# Altium PCB ASP-0.PcbDoc (part 3 of 4)
Units mm, origin at the board's own origin, x right, y up, seen from the top; angles counter-clockwise.
Board outline 200 x 170 mm, 2 copper layers (Top Layer, Bottom Layer); 290 components, 293 nets, 1338 pads, 464 vias.
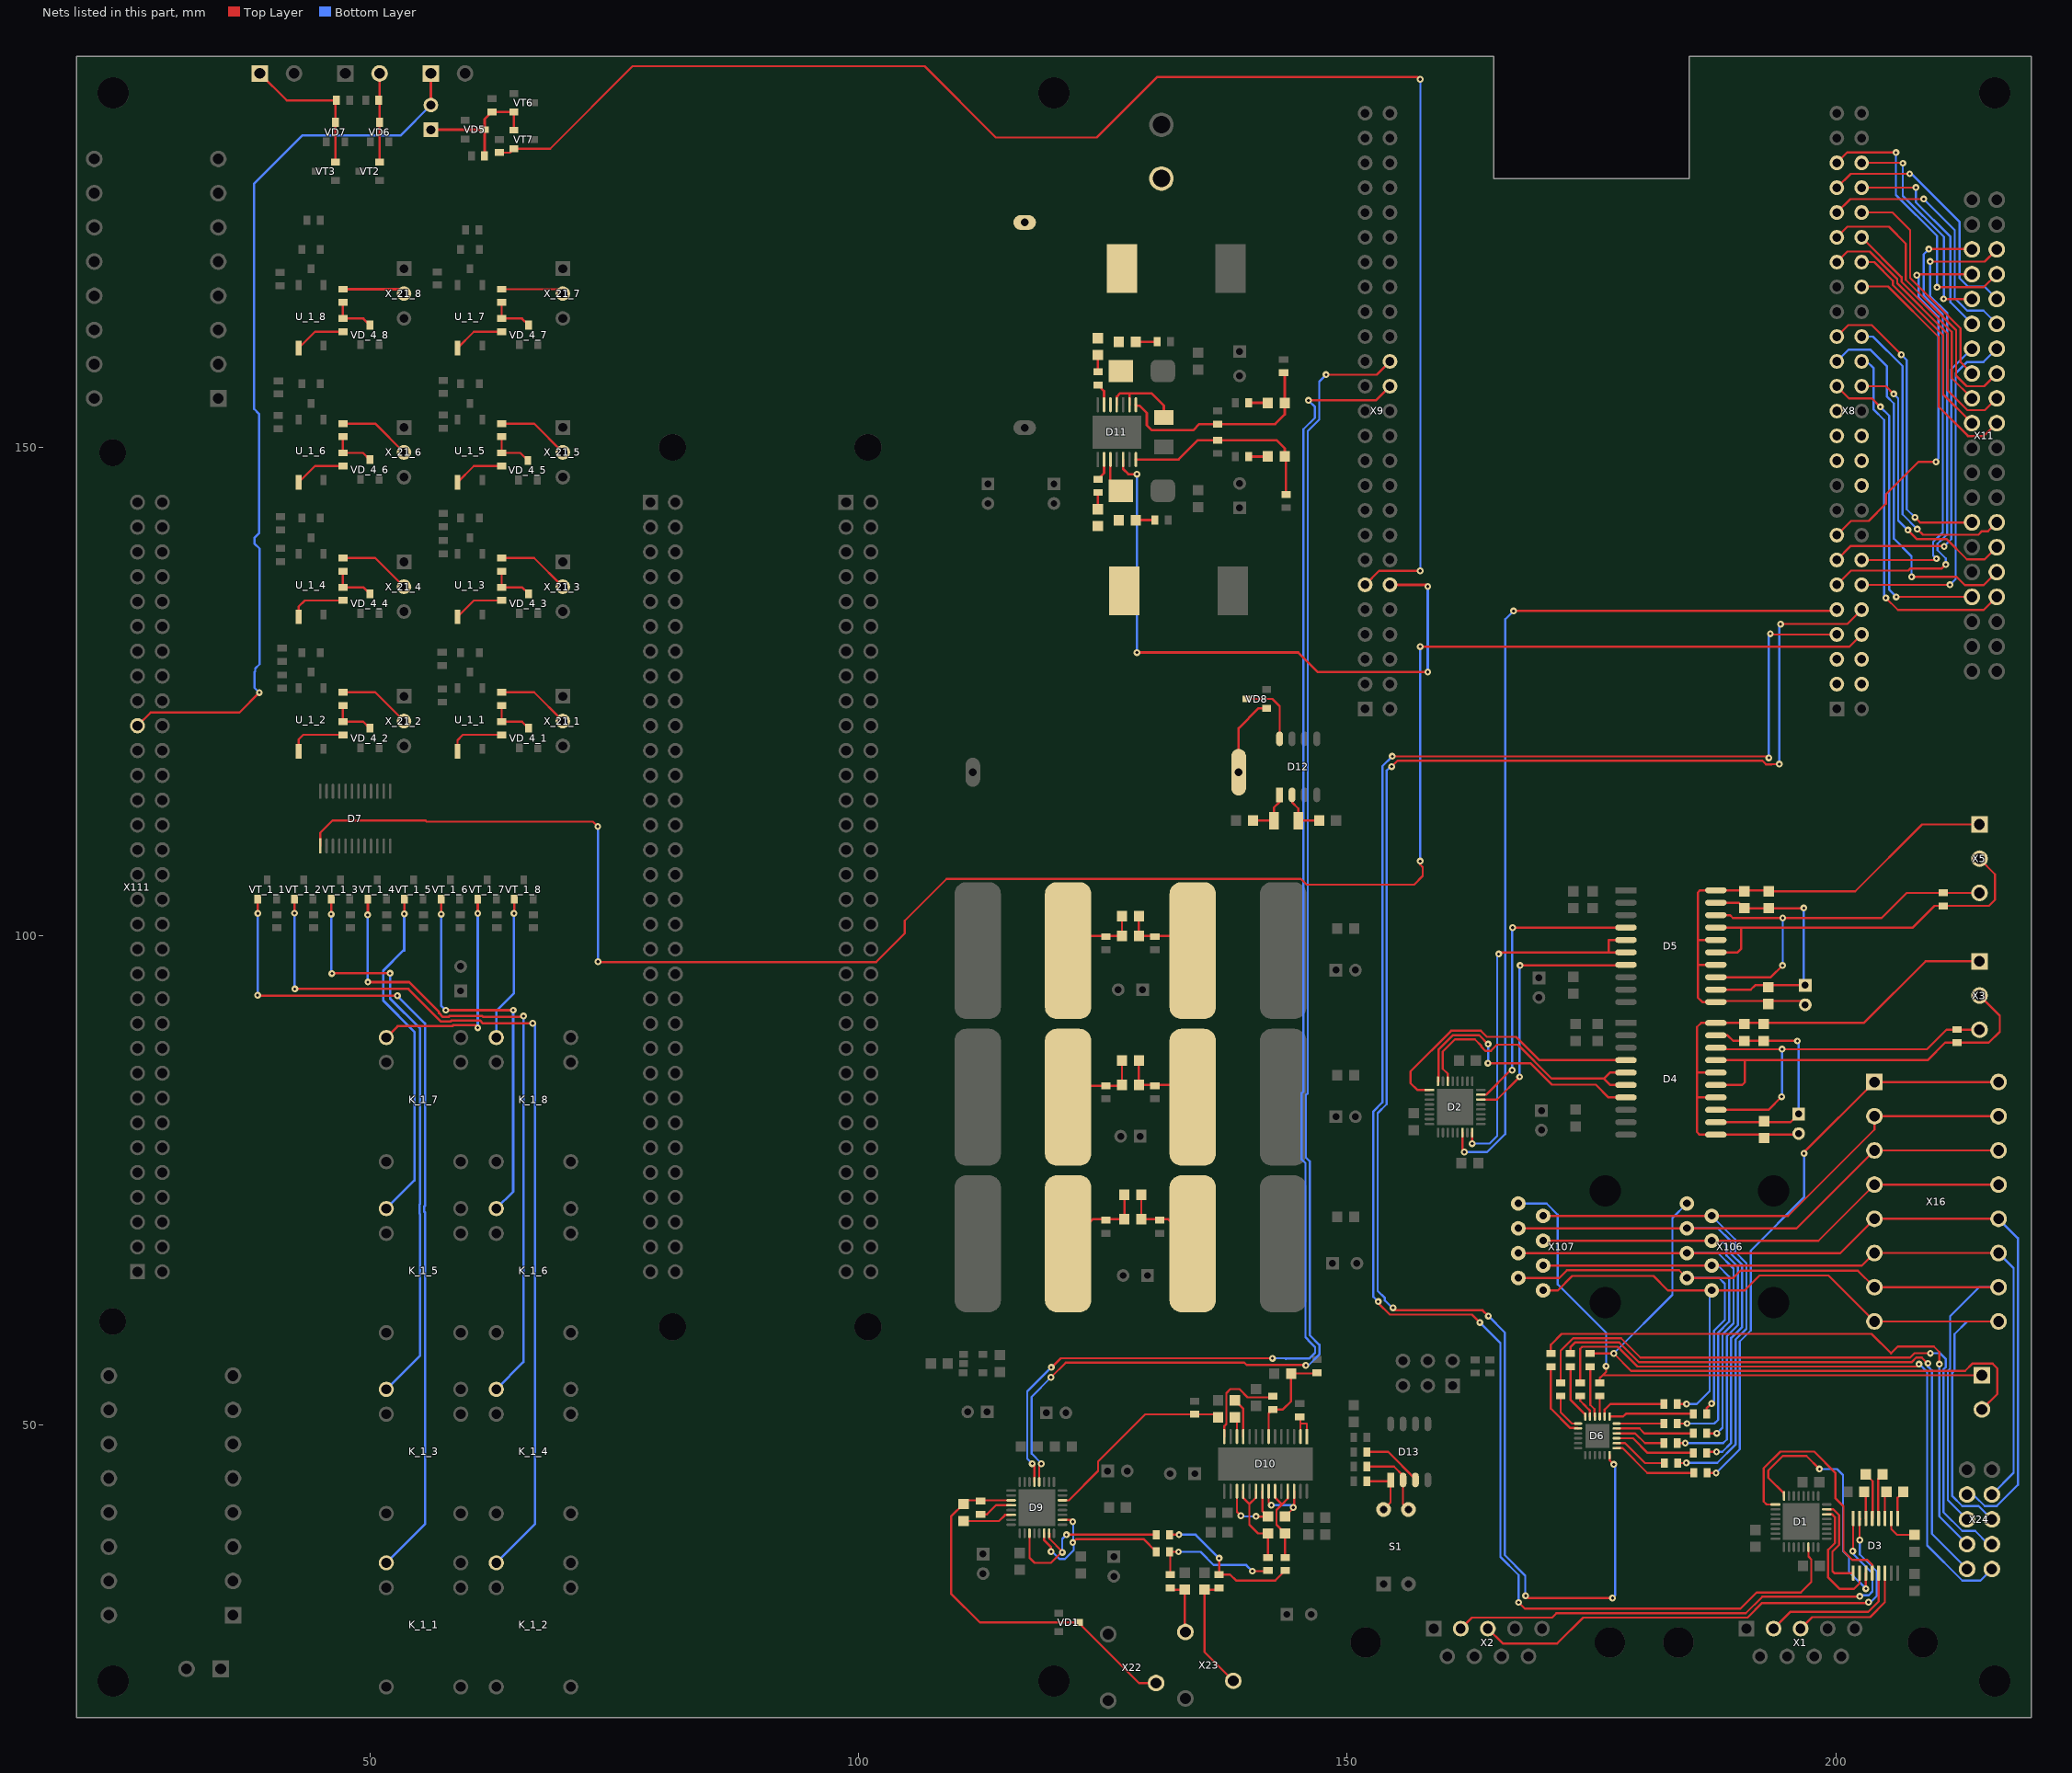
[diagram p3: the nets of this part, all layers, seen from the top]

## Via types
v1: diameter 0.7, hole 0.3, Top Layer to Bottom Layer, 444 vias
v2: diameter 0.7, hole 0.3, Top Layer to Bottom Layer, tented both sides, 20 vias

## Nets (pads, with @x,y where several pads share a name; then routed paths per layer and width w, separated by ;. In a path a pad name is that pad's centre, name@x,y a point inside that pad or via, vN(x,y) a via of type N, cw(c..) or ccw(c..) an arc to the next point about the centre after c; other vN are vias at no path point) (continued)
LCD_B6: X8.31 X11.27 | length 31.6
  Top Layer w0.22: X8.31@200.104,161.325 201.279,162.5 203.675,162.5 v1(206.7,159.475) ; v1(208.1,142.825) 208.615,142.31 X11.27@213.93,142.31
  Bottom Layer w0.22: v1(206.7,159.475) 207.26,158.915 207.26,143.665 v1(208.1,142.825)
LCD_B7: X8.32 X11.28 | length 31.6
  Top Layer w0.22: v1(208.338,141.625) 208.913,141.05 214.588,141.05 214.953,141.415 215.575,141.415 X11.28@216.47,142.31
  Bottom Layer w0.22: X8.32@202.644,161.325 203.8,161.325 206.82,158.305 206.82,143.143 v1(208.338,141.625)
LCD_DE_E: X8.30 X11.34 | length 38
  Top Layer w0.22: v1(205.125,134.575) 206.35,133.35 215.13,133.35 X11.34@216.47,134.69
  Bottom Layer w0.22: X8.30@202.644,158.785 203.165,158.785 203.88,158.07 203.88,153.851 204.95,152.781 204.95,134.75 v1(205.125,134.575)
LCD_G0_A0: X8.13 X11.13 | length 33
  Top Layer w0.22: X8.13@200.104,138.465 201.549,139.91 206.2,139.91 206.205,139.905 211.037,139.905 v1(211.085,139.857)
  Bottom Layer w0.22: v1(211.085,139.857) 211.085,139.86 211.821,140.596 211.821,157.981 X11.13@213.93,160.09
LCD_G1_R/W: X8.12 X11.14 | length 36.2
  Top Layer w0.22: X8.12@202.644,135.925 v1(211.675,135.925)
  Bottom Layer w0.22: v1(211.675,135.925) 212.261,136.511 212.261,157.55 213.441,158.73 215.11,158.73 X11.14@216.47,160.09
LCD_G2: X8.42 X11.15 | length 23
  Top Layer w0.22: X8.42@202.644,174.025 205.8,174.025 207.605,172.22 207.605,167.32 212.75,162.175 212.75,158.73 X11.15@213.93,157.55
LCD_G3: X8.39 X11.16 | length 29
  Top Layer w0.22: X8.39@200.104,171.485 201.184,172.565 205.435,172.565 207.165,170.835 207.165,167.138 212.31,161.993 212.31,157.34 213.4,156.25 215.17,156.25 X11.16@216.47,157.55
LCD_G4: X8.40 X11.17 | length 21.1
  Top Layer w0.22: X8.40@202.644,171.485 206.725,167.404 206.725,166.955 211.87,161.81 211.87,157.07 X11.17@213.93,155.01
LCD_G5: X8.37 X11.18 | length 27.7
  Top Layer w0.22: X8.37@200.104,168.945 201.184,170.025 203.475,170.025 206.285,167.215 206.285,166.773 211.43,161.628 211.43,155.841 213.471,153.8 215.26,153.8 X11.18@216.47,155.01
LCD_G6: X8.38 X11.19 | length 21.9
  Top Layer w0.22: X8.38@202.644,168.945 203.933,168.945 205.845,167.033 205.845,166.591 210.99,161.446 210.99,155.41 X11.19@213.93,152.47
LCD_G7: X8.36 X11.20 | length 24.9
  Top Layer w0.22: X8.36@202.644,166.405 202.697,166.458 205.356,166.458 210.55,161.264 210.55,154.125 213.525,151.15 215.15,151.15 X11.20@216.47,152.47
LCD_HSYNC: X8.29 X11.32 | length 38.5
  Top Layer w0.22: v1(207.75,136.75) 212.35,136.75 213.2,135.9 215.14,135.9 X11.32@216.47,137.23
  Bottom Layer w0.22: X8.29@200.104,158.785 201.319,160 203.5,160 205.245,158.255 205.245,155.168 205.94,154.473 205.94,140.66 207.75,138.85 v1(207.75,136.75)
LCD_PCLK_RST: X8.28 X11.30 | length 29
  Top Layer w0.22: X8.28@202.644,156.245 205.13,156.245 v1(205.925,155.45) ; v1(207.375,141.525) 208.31,140.59 211.36,140.59 213.425,138.525 215.225,138.525 X11.30@216.47,139.77
  Bottom Layer w0.22: v1(205.925,155.45) 206.38,154.995 206.38,142.52 v1(207.375,141.525)
LCD_R0_DB0: X8.14 X11.5 | length 45.4
  Top Layer w0.22: X8.14@202.644,138.465 210.163,138.465 v1(210.3,138.602) ; v1(209.525,170.275) 213.905,170.275 X11.5@213.93,170.25
  Bottom Layer w0.22: v1(209.525,170.275) 208.98,169.73 208.98,165.548 210.941,163.587 210.941,141.25 210.895,141.25 209.965,140.321 209.965,138.937 v1(210.3,138.602)
LCD_R1_DB1: X8.11 X11.6 | length 51.8
  Top Layer w0.22: X8.11@200.104,135.925 201.564,137.385 207.423,137.385 207.643,137.605 210.855,137.605 v1(211.25,138) ; v1(209.66,169.008) 209.668,169 215.22,169 X11.6@216.47,170.25
  Bottom Layer w0.22: v1(209.66,169.008) 209.66,165.49 211.381,163.769 211.381,141.068 210.85,140.537 210.804,140.537 210.405,140.138 210.405,139.47 211.25,138.625 v1(211.25,138)
LCD_R2_DB2: X8.15 X11.7 | length 39.6
  Top Layer w0.22: X8.15@200.104,141.005 201.564,142.465 203.365,142.465 205.125,144.225 205.125,145.159 208.466,148.5 v1(210.25,148.5) ; v1(208.285,167.608) 208.375,167.698 208.375,167.71 X11.7@213.93,167.71
  Bottom Layer w0.22: v1(208.285,167.608) 208.475,167.418 208.475,165.401 210.501,163.375 210.501,148.851 210.25,148.6 v1(210.25,148.5)
LCD_R3_DB3: X8.45 X11.8 | length 28.7
  Top Layer w0.22: X8.45@200.104,179.105 201.184,180.185 206.115,180.185 v1(206.15,180.15) ; v1(210.35,166.375) 215.135,166.375 X11.8@216.47,167.71
  Bottom Layer w0.22: v1(206.15,180.15) 206.15,175.823 210.35,171.623 v1(210.35,166.375)
LCD_R4_DB4: X8.46 X11.9 | length 22.8
  Top Layer w0.22: X8.46@202.644,179.105 206.82,179.105 v1(206.86,179.065) ; v1@211.035,165.17 X11.9@213.93,165.17
  Bottom Layer w0.22: v1(206.86,179.065) 206.86,175.735 211.075,171.52 211.075,165.223 v1(211.035,165.183)
LCD_R5_DB5: X8.43 X11.10 | length 25.6
  Top Layer w0.22: X8.43@200.104,176.565 201.523,177.984 v1(207.56,177.984)
  Bottom Layer w0.22: v1(207.56,177.984) 207.747,177.984 212.65,173.08 212.65,167.321 213.546,166.425 215.215,166.425 X11.10@216.47,165.17
LCD_R6_DB6: X8.44 X11.11 | length 21.9
  Top Layer w0.22: X8.44@202.644,176.565 208.167,176.565 v1(208.185,176.584)
  Bottom Layer w0.22: v1(208.185,176.584) 208.185,175.075 211.735,171.525 211.735,164.825 X11.11@213.93,162.63
LCD_R7_DB7: X8.41 X11.12 | length 26.3
  Top Layer w0.22: X8.41@200.104,174.025 201.479,175.4 v1(209,175.4)
  Bottom Layer w0.22: v1(209,175.4) 212.175,172.225 212.175,165.256 213.441,163.99 215.11,163.99 X11.12@216.47,162.63
LCD_VSYNC: X8.27 X11.33 | length 33.4
  Top Layer w0.22: X8.27@200.104,156.245 201.349,155 203.693,155 v1(204.56,154.133) v1@204.56,154.315 ; v1(206.185,134.69) X11.33@213.93,134.69
  Bottom Layer w0.22: v1(204.56,154.133) 205.475,153.218 205.475,135.4 v1(206.185,134.69)
MMC1_CLK: X8.21
MMC1_CMD: X8.20
MMC1_DAT0: X8.25
MMC1_DAT1: X8.24
MMC1_DAT2: X8.5
MMC1_DAT3: X8.6
MMC1_DAT4: X8.23
MMC1_DAT5: X8.22
MMC1_DAT6: X8.3
MMC1_DAT7: X8.4
NetC1_1: C1.1 D3.1 | length 2.9
  Top Layer w0.22: D3.1@206.325,40.4 206.325,42.51 C1.1@206.915,43.1
NetC1_2: C1.2 D3.3 | length 2.8
  Top Layer w0.22: D3.3@205.025,40.4 205.025,42.94 C1.2@205.185,43.1
NetC2_1: C2.1 D3.2 | length 3.7
  Top Layer w0.22: D3.2@205.675,40.4 205.675,39.3 206.26,38.715 C2.1@208.05,38.715
NetC12_1: C12.1 D3.4 | length 4.7
  Top Layer w0.22: D3.4@204.375,40.4 204.33,40.445 204.33,44.44 C12.1@204.79,44.9
NetC12_2: C12.2 D3.5 | length 4.8
  Top Layer w0.22: C12.2@203.06,44.9 203.77,44.19 203.77,40.445 D3.5@203.725,40.4
NetC13_2: C13.2 D3.6 | length 2.8
  Top Layer w0.22: C13.2@202.915,43.1 203.075,42.94 D3.6@203.075,40.4
NetC14_1: C14.1 C15.2 C16.2 C17.2 D4.12 D4.19 | length 25
  Top Layer w0.22: D4.12@187.725,80.932 195.357,80.932 C14.1@196.2,81.775 ; D4.19@187.725,89.822 188.928,89.822 189.488,89.262 C17.2@192.625,89.262 196.063,89.262 v1(196.075,89.25)
  Bottom Layer w0.22: v1(196.075,89.25) 196.2,89.125 C14.1@196.2,81.775 C14.1@196.15,81.825
NetC14_2: C14.2 C15.1 C16.1 C17.1 D4.11 D4.14 D4.16 D4.20 X3.1 | length 56.8
  Top Layer w0.22: D4.14@187.725,83.472 185.803,83.472 185.8,83.475 ; D4.16@187.725,86.012 185.812,86.012 185.8,86 ; C14.2@196.2,79.775 196.087,79.662 D4.11@187.725,79.662 186.063,79.662 185.8,79.925 185.8,83.475 ; X3.1@214.7,97.4 209.175,97.4 202.867,91.092 D4.20@187.725,91.092 186.217,91.092 185.8,90.675 185.8,86 ; 185.8,83.475 185.8,86
NetC18_1: C18.1 C19.2 C20.2 C21.2 D5.12 D5.19 | length 26.3
  Top Layer w0.22: D5.12@187.725,94.507 191.307,94.507 191.752,94.952 C18.1@196.875,94.952 ; D5.19@187.725,103.397 190.065,103.397 C19.2@190.625,102.837 C20.2@193.125,102.836 196.711,102.836 v1(196.725,102.85)
  Bottom Layer w0.22: C18.1@196.725,95.102 v1(196.725,102.85)
NetC18_2: C18.2 C19.1 C20.1 C21.1 D5.11 D5.14 D5.16 D5.20 X5.1 | length 57.6
  Top Layer w0.22: 185.9,99.587 D5.16@187.725,99.587 ; D5.14@187.725,97.047 185.928,97.047 185.9,97.075 ; C18.2@196.875,92.952 196.49,93.337 193.125,93.337 187.825,93.337 D5.11@187.725,93.237 186.338,93.237 185.9,93.675 185.9,97.075 ; X5.1@214.7,111.4 208.825,111.4 201.991,104.566 C20.1@193.125,104.566 193.024,104.667 D5.20@187.725,104.667 186.117,104.667 185.9,104.45 185.9,99.4 185.9,97.075
NetC38_2: C38.2 D10.7 R5.2 R7.2 | length 10.7
  Top Layer w0.22: D10.7@141.975,48.775 141.975,51.125 R7.2@142.4,51.55 143.425,51.55 144.265,52.39 C38.2@144.265,55.225 146.825,55.225 R5.2@146.9,55.3
NetC42_1: C42.1 D9.11 R6.2 VD1.3 X22.2 | length 39.5
  Top Layer w0.22: D9.11@115.625,42.25 111.135,42.25 C42.1@110.75,41.865 109.475,40.59 109.475,32.7 112.425,29.75 VD1.3@122.5,29.75 128.7,23.55 X22.2@130.45,23.55
NetC42_2: C42.2 D9.14 | length 5.1
  Top Layer w0.22: C42.2@110.75,40.135 114.385,40.135 115,40.75 D9.14@115.625,40.75
NetC43_1: C43.1 D10.12 | length 2
  Top Layer w0.22: C43.1@138.515,50.725 138.725,50.515 D10.12@138.725,48.775
NetC43_2: C43.2 D9.30 R44.2 | length 20.3
  Top Layer w0.22: D9.30@120.875,42.25 121.525,42.25 124.52,45.245 124.52,46.23 129.34,51.05 R44.2@134.4,51.05 136.46,51.05 C43.2@136.785,50.725
NetC44_1: C44.1 L3.2 X23.1 | length 5.9
  Top Layer w0.22: L3.2@131.9,33.3 132.09,33.11 C44.1@133.4,33.11 133.4,28.825 X23.1@133.45,28.775
NetC45_1: C45.1 L4.2 X23.2 | length 12.1
  Top Layer w0.22: L4.2@136.9,33.3 136.71,33.11 C45.1@135.4,33.11 135.4,26.725 X23.2@138.35,23.775
NetC46_1: C46.1 D10.11 | length 4.1
  Top Layer w0.22: C46.1@138.515,52.475 139.375,51.615 D10.11@139.375,48.775
NetC47_1: C47.1 D10.18 D10.20 R46.1 | length 10
  Top Layer w0.22: D10.18@139.375,43.175 139.375,42.482 140,41.857 ; D10.20@140.675,43.175 140.675,42.532 140,41.857 ; R46.1@141.9,36.4 C47.1@141.9,38.86 140.89,38.86 140,39.75 140,41.857
NetC47_2: C47.2 D10.17 D10.21 | length 8.3
  Top Layer w0.22: D10.17@138.725,43.175 138.725,41.075 v1(139.125,40.675) ; v1(140.682,40.602) 140.694,40.59 C47.2@141.9,40.59 141.325,41.165 D10.21@141.325,43.175
  Bottom Layer w0.22: v1(139.125,40.675) 139.198,40.602 v1(140.682,40.602)
NetC48_1: C48.1 D10.23 D10.25 R47.1 | length 9.3
  Top Layer w0.22: D10.23@142.625,43.175 142.625,42.525 143.325,41.825 ; R47.1@143.65,36.4 C48.1@143.65,38.86 142.77,39.74 142.77,41.27 143.325,41.825 ; D10.25@143.925,43.175 143.925,42.425 143.325,41.825
NetC48_2: C48.2 D10.22 D10.26 | length 6.9
  Top Layer w0.22: D10.22@141.975,43.175 141.975,42.025 v1(142.25,41.75) ; C48.2@143.65,40.59 v1@144.575,41.515 ; v1(144.485,41.515) v1@144.575,41.515 ; D10.26@144.575,43.175 v1@144.575,41.515
  Bottom Layer w0.22: v1(142.25,41.75) 144.25,41.75 v1(144.485,41.515)
NetC51_1: C51.1 R12.2 | length 2
  Top Layer w0.25: C51.1@128.365,142.55 R12.2@130.325,142.55
NetC51_2: C51.2 C52.1 D11.3 L5.2 VD2.2 | length 3.7
  Top Layer w0.25: D11.3@125.781,148.75 125.75,148.719 125.75,146.65 VD2.2@126.85,145.55
NetC52_2: C52.2 R15.1 | length 1.7
  Top Layer w0.25: C52.2@124.5,143.665 R15.1@124.5,145.375
NetC53_1: C53.1 R14.2 | length 2
  Top Layer w0.25: R14.2@139.925,149.05 C53.1@141.885,149.05
NetC53_2: C53.2 D11.7 R13.1 R16.2 | length 21.2
  Top Layer w0.25: D11.7@128.381,148.75 132.75,148.75 134.725,150.725 R16.2@136.75,150.725 142.775,150.725 143.615,149.885 C53.2@143.615,149.05 143.75,148.915 R13.1@143.75,145.175
NetC56_1: C56.1 R19.2 | length 2
  Top Layer w0.25: R19.2@139.925,154.55 C56.1@141.885,154.55
NetC56_2: C56.2 D11.8 R17.2 R20.2 | length 22
  Top Layer w0.25: D11.8@128.381,154.35 128.481,154.25 128.75,154.25 129.5,153.5 129.5,152.25 130,151.75 134.25,151.75 134.875,152.375 R17.2@136.75,152.375 142.625,152.375 143.615,153.365 C56.2@143.615,154.55 143.615,157.51 R20.2@143.5,157.625
NetC57_1: C57.1 R18.2 | length 1.7
  Top Layer w0.25: R18.2@124.5,157.725 C57.1@124.5,159.435
NetC57_2: C57.2 C58.2 D11.12 L6.1 VD3.2
NetC58_1: C58.1 R21.2 | length 2.2
  Top Layer w0.25: C58.1@128.365,160.8 R21.2@130.575,160.8
NetC61_1: C61.1 D11.9 D11.11 | length 8.7
  Top Layer w0.25: D11.11@126.431,154.35 126.431,155.181 126.75,155.5 127.75,155.5 ; D11.9@127.731,154.35 127.731,155.481 127.75,155.5 ; C61.1@131.25,153.05 131.25,154.25 130,155.5 127.75,155.5
NetC65_1: C65.1 C66.1 L2.2 L8.1 | length 8.5
  Top Layer w0.22: L2.2@121.45,83.5 122.625,84.675 L8.1@125.325,84.675 126.885,84.675 C66.1@126.96,84.75 C65.1@126.96,87.25
NetC65_2: C65.2 C66.2 L1.2 L7.1 | length 8.5
  Top Layer w0.22: C65.2@128.69,87.25 C66.2@128.69,84.75 132.95,84.75 L1.2@134.2,83.5
NetC70_1: C70.1 C71.1 L10.2 L12.1 | length 9.3
  Top Layer w0.22: L10.2@121.45,68.5 123.95,71 C70.1@127.21,71 C71.1@127.21,73.5
NetC70_2: C70.2 C71.2 L9.2 L11.1 | length 8.8
  Top Layer w0.22: C71.2@128.94,73.5 C70.2@128.94,71 131.7,71 L9.2@134.2,68.5
NetC80_1: C80.1 D12.1 Z1.1 | length 5
  Top Layer w0.22: C80.1@140.365,111.8 Z1.1@142.5,111.8 142.5,113.125 143.095,113.72 D12.1@143.095,114.43
NetC81_1: C81.1 D12.2 Z1.2 | length 5
  Top Layer w0.22: D12.2@144.365,114.43 144.365,113.66 145,113.025 Z1.2@145,111.8 C81.1@147.135,111.8
NetC84_1: C84.1 C85.1 L14.2 L16.1 | length 8.1
  Top Layer w0.22: L14.2@121.45,98.5 122.95,100 C85.1@126.96,100 C84.1@126.96,102
NetC84_2: C84.2 C85.2 L13.2 L15.1 | length 8.1
  Top Layer w0.22: C84.2@128.69,102 C85.2@128.69,100 132.7,100 L13.2@134.2,98.5
NetD1_1: D1.1 D3.12 | length 26.4
  Top Layer w0.22: D1.1@193.825,41.825 192.925,41.825 192.625,42.125 192.625,45.525 194.325,47.225 197.8,47.225 199.95,45.075 199.95,42.475 200.785,41.64 200.785,37.04 201.675,36.15 203.225,36.15 203.725,35.65 D3.12@203.725,34.8
NetD1_14: D1.14 X8.7 | length 191.7
  Top Layer w0.22: v1(153.182,62.578) 153.182,62.443 154.375,61.25 162.775,61.25 v1(163.575,60.45) ; v1(154.625,118.375) 193,118.375 v1(193.15,118.225) ; v1(167.55,31.8) 168.2,31.15 190.219,31.15 191.884,32.815 196.42,32.815 197.49,33.885 197.49,36.202 197.2,36.492 D1.14@197.2,37.45 ; v1(193.3,130.925) 193.38,130.845 X8.7@200.104,130.845
  Bottom Layer w0.22: v1(153.182,62.578) 152.69,63.071 152.69,82.053 153.605,82.968 153.605,117.355 v1(154.625,118.375) ; v1(163.575,60.45) 165.69,58.335 165.69,36.46 167.55,34.6 v1(167.55,31.8) ; v1(193.15,118.225) 193.15,130.775 v1(193.3,130.925)
NetD1_22: D1.22 D3.10 | length 12.4
  Top Layer w0.22: D1.22@199.075,40.825 199.594,40.825 199.905,40.514 199.905,37.88 199.22,37.195 199.22,34.355 200.4,33.175 201.85,33.175 202.425,33.75 D3.10@202.425,34.8
NetD1_23: D1.23 D3.9 | length 9.7
  Top Layer w0.22: D1.23@199.075,41.325 199.75,41.325 200.345,40.73 200.345,37.685 199.66,37 199.66,34.99 199.85,34.8 D3.9@201.775,34.8
NetD1_32: D1.32 D3.11 | length 26.5
  Top Layer w0.22: D1.32@194.7,42.7 194.7,42.96 193.1,44.56 193.1,45.3 194.585,46.785 196.99,46.785 v1(198.325,45.45) ; v1(203.075,33.2) D3.11@203.075,34.8
  Bottom Layer w0.22: v1(198.325,45.45) 200.125,45.45 200.74,44.835 200.74,37.06 201.355,36.445 201.355,34.92 v1(203.075,33.2)
NetD2_1: D2.1 D4.4 | length 28.4
  Top Layer w0.22: D2.1@158.425,84.25 157.175,84.25 156.475,84.95 156.475,86.125 160.64,90.29 163.682,90.29 164.297,89.675 167.287,89.675 169.68,87.282 D4.4@178.525,87.282
NetD2_14: D2.14 X8.9 | length 94
  Top Layer w0.22: D2.14@161.8,79.875 161.8,78.062 v1(161.983,77.879) ; v1(167.025,133.25) 199.969,133.25 X8.9@200.104,133.385
  Bottom Layer w0.22: v1(161.983,77.879) 164.326,77.879 166.18,79.733 166.18,132.405 v1(167.025,133.25)
NetD2_16: D2.16 D5.5 D5.6 | length 38.8
  Top Layer w0.22: v1(162.8,78.75) D2.16@162.8,79.875 ; v1(165.5,98.15) 165.667,98.317 176.75,98.317 ; D5.6@178.525,98.317 176.75,98.317 ; D5.5@178.525,99.587 176.762,99.587 176.75,99.575 176.75,98.317
  Bottom Layer w0.22: v1(162.8,78.75) 164.575,78.75 165.35,79.525 165.35,98 v1(165.5,98.15)
NetD2_22: D2.22 D5.7 | length 27.2
  Top Layer w0.22: D2.22@163.675,83.25 165.325,83.25 v1(167.65,85.575) ; v1(167.7,96.975) 178.453,96.975 D5.7@178.525,97.047
  Bottom Layer w0.22: v1(167.65,85.575) 167.65,96.925 v1(167.7,96.975)
NetD2_23: D2.23 D5.4 | length 30.5
  Top Layer w0.22: D2.23@163.675,83.75 164.225,83.75 166.729,86.254 v1(166.883,86.254) ; v1(166.925,100.85) 178.518,100.85 D5.4@178.525,100.857
  Bottom Layer w0.22: v1(166.883,86.254) 166.883,100.808 v1(166.925,100.85)
NetD2_30: D2.30 D4.5 D4.6 | length 27.5
  Top Layer w0.22: D2.30@160.3,85.125 160.3,85.895 159.785,86.41 159.785,88.163 161.032,89.41 163.075,89.41 163.745,88.74 163.745,88.643 164.143,88.245 164.707,88.245 165.337,88.875 167.465,88.875 170.94,85.4 176.275,85.4 ; D4.6@178.525,84.742 176.933,84.742 176.275,85.4 ; D4.5@178.525,86.012 176.887,86.012 176.275,85.4
NetD2_32: D2.32 D4.7 | length 26.9
  Top Layer w0.22: D2.32@159.3,85.125 159.345,85.125 159.345,88.345 160.85,89.85 163.5,89.85 v1(164.425,88.925) ; v1(164.4,86.975) 168.743,86.975 170.943,84.775 175.45,84.775 176.753,83.472 D4.7@178.525,83.472
  Bottom Layer w0.22: v1(164.4,86.975) 164.425,87 v1(164.425,88.925)
NetD3_7: D3.7 X2.3 | length 51.2
  Top Layer w0.22: X2.3@164.4,29.12 165.92,27.6 171.5,27.6 174.15,30.25 190.972,30.25 192.467,31.745 203.258,31.745 v1(203.344,31.831) ; v1(202.46,38.177) 202.425,38.212 D3.7@202.425,40.4 D3.7@202.5,40.325
  Bottom Layer w0.22: v1(202.46,38.177) 202.46,36.712 204.195,34.977 204.195,32.47 203.556,31.831 v1(203.344,31.831)
NetD3_8: D3.8 X2.2 | length 52.1
  Top Layer w0.22: X2.2@161.63,29.12 162.76,30.25 170.975,30.25 171.415,30.69 190.79,30.69 192.475,32.375 202.4,32.375 v1(202.45,32.425) ; v1(201.735,37.052) 201.735,37.035 201.775,37.075 D3.8@201.775,40.4
  Bottom Layer w0.22: v1(201.735,37.052) 201.735,36.815 203.755,34.795 203.755,32.918 203.357,32.52 202.545,32.52 v1(202.45,32.425)
NetD3_13: D3.13 X1.2 | length 14.8
  Top Layer w0.22: X1.2@193.63,29.12 195.335,30.825 203.3,30.825 204.375,31.9 D3.13@204.375,34.8
NetD3_14: D3.14 X1.3 | length 12.7
  Top Layer w0.22: X1.3@196.4,29.12 197.58,30.3 203.5,30.3 205.025,31.825 D3.14@205.025,34.8
NetD4_13: D4.13 D4.18 R1.2 X3.3 | length 40.3
  Top Layer w0.22: D4.13@187.725,82.202 193.102,82.202 v1(194.45,83.55) ; D4.18@187.725,88.552 187.725,88.407 v1@194.303,88.407 ; v1(194.5,88.407) v1@194.303,88.407 ; X3.3@214.7,90.4 211.325,90.4 209.332,88.407 v1@194.303,88.407
  Bottom Layer w0.22: v1(194.45,83.55) 194.448,83.552 194.5,83.604 v1(194.5,88.407)
NetD4_15: D4.15 D4.17 R1.1 X3.2 | length 40.2
  Top Layer w0.22: D4.15@187.725,84.742 190.417,84.742 190.7,85.025 190.7,87.282 ; D4.17@187.725,87.282 190.7,87.282 ; X3.2@214.7,93.9 216.775,91.825 216.775,90.2 215.65,89.075 R1.1@212.4,89.075 211.175,89.075 209.382,87.282 190.7,87.282
NetD5_13: D5.13 D5.18 R2.2 X5.3 | length 40.3
  Top Layer w0.22: D5.13@187.725,95.777 193.352,95.777 v1(194.55,96.975) ; D5.18@187.725,102.127 189.173,102.127 189.475,101.825 v1(194.573,101.825) 204.675,101.825 207.25,104.4 X5.3@214.7,104.4
  Bottom Layer w0.22: v1(194.55,96.975) 194.573,96.998 v1(194.573,101.825)
NetD5_15: D5.15 D5.17 R2.1 X5.2 | length 39.5
  Top Layer w0.22: D5.15@187.725,98.317 189.95,98.317 189.95,98.325 190.325,98.7 190.325,100.857 ; D5.17@187.725,100.857 190.325,100.857 ; X5.2@214.7,107.9 216.294,106.307 216.294,103.694 215.675,103.075 210.1,103.075 207.882,100.857 190.325,100.857
NetD6_1: D6.1 R32.1 | length 9
  Top Layer w0.22: D6.1@177.575,47.6 178.175,47.6 180.725,45.05 R32.1@185.475,45.05
NetD6_2: D6.2 R31.1 | length 5.7
  Top Layer w0.22: D6.2@177.575,48.1 178.425,48.1 180.475,46.05 R31.1@182.475,46.05
NetD6_3: D6.3 R30.1 | length 8.5
  Top Layer w0.22: D6.3@177.575,48.6 179.25,48.6 180.75,47.1 R30.1@185.425,47.1
NetD6_4: D6.4 R29.1 | length 5.3
  Top Layer w0.22: D6.4@177.575,49.1 179.475,49.1 180.475,48.1 R29.1@182.425,48.1
NetD6_5: D6.5 R28.1 | length 8.1
  Top Layer w0.22: D6.5@177.575,49.6 179.925,49.6 180.425,49.1 R28.1@185.425,49.1
NetD6_6: D6.6 R27.1 | length 4.9
  Top Layer w0.22: D6.6@177.575,50.1 R27.1@182.425,50.1
NetD6_7: D6.7 R26.1 | length 8.7
  Top Layer w0.22: D6.7@176.85,50.825 178.25,50.825 178.525,51.1 R26.1@185.425,51.1
NetD6_8: D6.8 R25.1 | length 7
  Top Layer w0.22: D6.8@176.35,50.825 176.35,51.525 176.925,52.1 R25.1@182.425,52.1
NetD6_9: D6.9 R33.1 | length 2.1
  Top Layer w0.22: D6.9@175.85,50.825 R33.1@175.85,52.925
NetD6_10: D6.10 R34.1 | length 5.3
  Top Layer w0.22: R34.1@174.85,55.925 174.875,55.9 174.875,52.01 175.305,51.58 175.305,50.87 D6.10@175.35,50.825
NetD6_11: D6.11 R48.1 | length 2.5
  Top Layer w0.22: R48.1@173.85,52.925 173.85,52.425 174.435,51.84 174.435,51.828 174.85,51.413 D6.11@174.85,50.825
NetD6_12: D6.12 R49.1 | length 5.7
  Top Layer w0.22: R49.1@172.85,55.925 172.85,52.55 174.35,51.05 D6.12@174.35,50.825
NetD6_13: D6.13 R50.1 | length 3.9
  Top Layer w0.22: R50.1@171.85,52.925 171.85,51.25 173,50.1 D6.13@173.625,50.1
NetD6_14: D6.14 R51.1 | length 7.9
  Top Layer w0.22: R51.1@170.85,55.925 170.85,51.628 172.833,49.645 173.58,49.645 D6.14@173.625,49.6
NetD6_24: D6.24 X8.10 | length 184.4
  Top Layer w0.22: v1(154.558,117.331) 155.162,117.935 192.478,117.935 192.868,117.545 193.432,117.545 193.462,117.575 v1(194.225,117.575) ; v1(154.708,61.953) 154.971,61.69 163.86,61.69 v1(164.45,61.1) ; v1(168.258,32.477) 168.298,32.477 168.534,32.241 v1(177.15,32.241) ; D6.24@176.85,46.875 176.85,46.35 v1(177.275,45.925) ; v1(194.35,131.9) 194.375,131.925 201.184,131.925 X8.10@202.644,133.385
  Bottom Layer w0.22: v1(154.558,117.331) 154.456,117.331 154.045,116.92 154.045,82.786 153.13,81.871 153.13,63.675 153.862,62.943 153.862,62.692 154.655,61.9 v1(154.708,61.953) ; v1(164.45,61.1) 166.13,59.42 166.13,36.642 168.23,34.542 168.23,32.505 v1(168.258,32.477) ; v1(177.15,32.241) 177.43,32.52 177.43,45.77 v1(177.275,45.925) ; v1(194.225,117.575) 194.225,131.775 v1(194.35,131.9)
NetD7_1: D7.1 X8.8 | length 202.9
  Top Layer w0.22: D7.1@44.925,109.2 44.925,110.55 46.175,111.8 55.713,111.8 55.818,111.695 72.83,111.695 v1(73.325,111.2) ; v1(73.354,97.355) 73.383,97.325 101.8,97.325 104.725,100.25 104.725,101.548 109.007,105.83 145.266,105.83 145.851,105.245 156.857,105.245 157.738,106.126 157.738,107.037 157.475,107.3 v1(157.475,107.65) ; v1(157.483,129.606) 157.489,129.6 201.399,129.6 X8.8@202.644,130.845
  Bottom Layer w0.22: v1(73.325,111.2) 73.354,111.171 v1(73.354,97.355) ; v1(157.475,107.65) 157.483,107.658 v1(157.483,129.606)
NetD9_4: D9.4 X9.30 | length 149.5
  Top Layer w0.22: D9.4@118.5,44.125 118.5,45.771 v1(118.706,45.977) ; v1(119.7,54.825) 121.211,56.336 139.476,56.336 139.717,56.095 145.73,56.095 v1(145.775,56.05) ; v1(147.85,157.425) 153.024,157.425 X9.30@154.384,158.785
  Bottom Layer w0.22: v1(118.706,45.977) 118.706,46.039 117.711,47.034 117.711,52.836 v1(119.7,54.825) ; v1(145.775,56.05) 146.046,56.05 147.157,57.161 147.157,58.157 146.18,59.133 146.18,76.931 145.785,77.326 145.785,83.71 145.97,83.895 145.97,151.663 147.15,152.843 147.15,156.725 v1(147.85,157.425)
NetD9_5: D9.5 X9.28 | length 148.5
  Top Layer w0.22: v1(117.781,46.002) 117.781,45.969 118,45.75 D9.5@118,44.125 ; v1(119.731,55.853) 119.778,55.853 120.701,56.776 v1(142.355,56.776) ; v1(146.05,154.8) 152.939,154.8 X9.28@154.384,156.245
  Bottom Layer w0.22: v1(117.781,46.002) 117.271,46.512 117.271,53.393 v1(119.731,55.853) ; v1(142.355,56.776) 143.699,56.776 143.751,56.724 143.777,56.75 146.123,56.75 146.717,57.343 146.717,57.907 146.017,58.606 146.017,58.674 145.74,58.951 145.74,76.749 145.345,77.144 145.345,83.892 145.53,84.077 145.53,151.845 146.71,153.025 146.71,154.14 v1(146.05,154.8)
NetD9_12: D9.12 R6.1 | length 3.5
  Top Layer w0.22: R6.1@112.5,40.825 113.15,40.825 114.075,41.75 D9.12@115.625,41.75
NetD9_19: D9.19 D9.23 R45.1 | length 20.2
  Top Layer w0.22: D9.19@117.5,38.875 117.5,36.375 118.025,35.85 119.7,35.85 120.85,37 120.85,37.007 119.545,38.312 119.545,38.83 D9.23@119.5,38.875 ; v1(121.275,38.725) R45.1@130.475,38.725
  Bottom Layer w0.22: v1(120.85,36.925) 120.85,38.3 v1(121.275,38.725)
NetD9_22: D9.22 D9.26 R11.2 | length 19
  Top Layer w0.22: D9.22@119,38.875 119,38.144 119.706,37.438 v1(119.706,37.002) ; D9.26@120.875,40.25 121.733,40.25 v1(121.931,40.052) ; v1(121.931,37.927) 122.289,38.285 129.165,38.285 R11.2@130.475,36.975
  Bottom Layer w0.22: v1(119.706,37.002) 119.812,37.002 120.568,36.245 121.132,36.245 122.025,37.138 122.025,37.833 v1(121.931,37.927) 121.975,37.971 121.975,40.22 121.931,40.264 v1(121.931,40.052)
NetD10_1: D10.1 D10.2 R4.2 | length 4
  Top Layer w0.22: R4.2@145.15,50.8 145.225,50.725 145.225,50.1 ; D10.2@145.225,48.775 145.225,50.1 ; D10.1@145.875,48.775 145.875,50.05 145.825,50.1 145.225,50.1
NetD10_14: D10.14 R7.1 | length 9.9
  Top Layer w0.22: D10.14@137.425,48.775 137.425,49.833 137.64,50.048 137.64,53.215 138.05,53.625 138.975,53.625 139.815,52.785 142.4,52.785 R7.1@142.4,52.9
NetD11_2: D11.2 R15.2 | length 2.3
  Top Layer w0.25: R15.2@124.5,146.725 125.131,147.356 D11.2@125.131,148.75
NetD11_5: D11.5 X9.12 | length 64.1
  Top Layer w0.25: D11.5@127.081,148.75 127.081,147.775 127.606,147.25 v1(128.5,147.25) ; v1(128.5,129) 145,129 147,127 v1(158.25,127) ; X9.12@154.384,135.925 158.075,135.925 v1(158.25,135.75)
  Bottom Layer w0.25: v1(128.5,129) v1(128.5,147.25) ; v1(158.25,127) v1(158.25,135.75)
NetD11_13: D11.13 R18.1 | length 2.3
  Top Layer w0.25: R18.1@124.5,156.375 125.131,155.744 D11.13@125.131,154.35
NetD12_8: D12.8 VD8.3 | length 7
  Top Layer w0.22: VD8.3@139.75,124.25 142.345,124.25 143.095,123.5 D12.8@143.095,120.17
NetD13_1: D13.1 R40.1 S1.2 | length 5.8
  Top Layer w0.22: R40.1@152.025,44.2 154.315,44.2 D13.1@154.445,44.33 154.445,42.025 S1.2@153.73,41.31
NetD13_2: D13.2 R39.1 S1.4 | length 7.8
  Top Layer w0.22: R39.1@152.025,45.7 154.8,45.7 155.715,44.785 D13.2@155.715,44.33 155.715,41.865 S1.4@156.27,41.31
NetD13_3: D13.3 R38.1 | length 6.2
  Top Layer w0.22: R38.1@152.025,47.2 154.207,47.2 156.985,44.422 D13.3@156.985,44.33
NetF1_1: F1.1 X25.1
NetG1_+: G1.+ VD8.1 | length 8.2
  Top Layer w0.22: G1.+@138.9,116.75 138.9,121.25 140.95,123.3 VD8.1@141.75,123.3
NetJ15_1: J15.1 R42.1 R43.2 VD5.3 VT6.2 VT7.1 | length 14.5
  Top Layer w0.25: J15.1@56.25,182.48 56.27,182.5 VD5.3@61.75,182.5 ; R42.1@61.75,179.8 VD5.3@61.75,182.5 ; VT7.1@64.75,182.45 VT6.2@64.75,184.3 64.725,184.325 R43.2@62.5,184.325 61.75,183.575 VD5.3@61.75,182.5
NetJ15_2: J15.2 X20.1 X111.A23 | length 91.7
  Top Layer w0.22: X111.A23@26.23,121.51 27.57,122.85 36.65,122.85 v1(38.7,124.9)
  Top Layer w0.25: J15.2@56.25,185.02 X20.1@56.25,188.25
  Bottom Layer w0.22: v1(38.7,124.9) 38.195,125.405 38.195,126.982 38.275,127.062 38.275,127.346 38.725,127.796 38.725,139.638 38.195,140.168 38.195,140.732 38.665,141.202 38.665,153.423 38.17,153.918 38.17,176.995 43.075,181.9 53.13,181.9 J15.2@56.25,185.02
NetK_1_1_4: K_1_1.4 VT_1_1.1 | length 85.1
  Top Layer w0.25: v1(38.525,93.925) 38.575,93.875 v1(52.825,93.875) ; v1(38.55,102.3) VT_1_1.1@38.55,103.75
  Bottom Layer w0.25: v1(38.525,93.925) 38.55,93.9 v1(38.55,102.3) ; K_1_1.4@51.69,35.85 55.65,39.81 55.65,71.692 55.58,71.762 55.58,72.338 55.65,72.408 55.65,91.05 v1(52.825,93.875)
NetK_1_2_4: K_1_2.4 VT_1_2.1 | length 92
  Top Layer w0.25: v1(42.3,102.325) VT_1_2.1@42.3,103.75 ; v1(42.325,94.575) 53.95,94.575 57.29,91.235 58.258,91.235 58.368,91.345 61.288,91.345 61.583,91.05 v1(66.675,91.05)
  Bottom Layer w0.25: v1(42.3,102.325) 42.3,94.6 v1(42.325,94.575) ; K_1_2.4@62.94,35.85 66.9,39.81 66.9,90.825 v1(66.675,91.05)
NetK_1_3_4: K_1_3.4 VT_1_3.1 | length 58.9
  Top Layer w0.25: v1(46.05,102.225) VT_1_3.1@46.05,103.75 ; v1(46.125,96.15) 46.15,96.175 v1(52.075,96.175)
  Bottom Layer w0.25: v1(46.05,102.225) 46.05,96.225 v1(46.125,96.15) ; K_1_3.4@51.69,53.6 55.15,57.06 55.15,71.527 55.11,71.567 55.11,72.533 55.15,72.573 55.15,90.525 52.075,93.6 v1(52.075,96.175)
NetK_1_4_4: K_1_4.4 VT_1_4.1 | length 65.5
  Top Layer w0.25: v1(49.775,102.15) 49.8,102.175 VT_1_4.1@49.8,103.75 ; v1(49.8,95.275) 54.025,95.275 57.08,92.22 57.08,92.112 57.487,91.705 58.063,91.705 58.173,91.815 61.483,91.815 61.593,91.705 65.63,91.705 v1(65.725,91.8)
  Bottom Layer w0.25: v1(49.775,102.15) 49.775,95.25 v1(49.8,95.275) ; K_1_4.4@62.94,53.6 65.725,56.385 v1(65.725,91.8)
NetK_1_5_4: K_1_5.4 VT_1_5.1 | length 35.1
  Top Layer w0.25: v1(53.525,102.25) 53.55,102.275 VT_1_5.1@53.55,103.75
  Bottom Layer w0.25: K_1_5.4@51.69,72.1 54.575,74.985 54.575,90.175 51.38,93.37 51.38,96.463 53.417,98.5 53.525,98.5 v1(53.525,102.25)
NetK_1_6_4: K_1_6.4 VT_1_6.1 | length 39.5
  Top Layer w0.25: v1(57.3,102.225) VT_1_6.1@57.3,103.75 ; v1(57.775,92.4) v1(64.675,92.4)
  Bottom Layer w0.25: v1(57.3,102.225) 57.3,92.875 v1(57.775,92.4) ; K_1_6.4@62.94,72.1 64.675,73.835 v1(64.675,92.4)
NetK_1_7_4: K_1_7.4 VT_1_7.1 | length 23.2
  Top Layer w0.25: K_1_7.4@51.69,89.6 52.855,90.765 58.452,90.765 58.562,90.875 60.775,90.875 v1(61.05,90.6) ; v1(61.05,102.3) VT_1_7.1@61.05,103.75
  Bottom Layer w0.25: v1(61.05,90.6) v1(61.05,102.3)
NetK_1_8_4: K_1_8.4 VT_1_8.1 | length 14.9
  Top Layer w0.25: v1(64.75,102.3) 64.8,102.35 VT_1_8.1@64.8,103.75
  Bottom Layer w0.25: K_1_8.4@62.94,89.6 62.94,92.315 64.75,94.125 v1(64.75,102.3)
NetL3_1: L3.1 R11.1 R46.2 | length 13.3
  Top Layer w0.22: L3.1@131.9,34.65 131.9,36.9 R11.1@131.825,36.975 v1(132.75,36.975) ; v1(140.3,35) 141.85,35 R46.2@141.9,35.05
  Bottom Layer w0.22: v1(132.75,36.975) 135,36.975 136.35,35.625 139.675,35.625 v1(140.3,35)
NetL4_1: L4.1 R45.2 R47.2 | length 15.2
  Top Layer w0.22: R45.2@131.825,38.725 v1(132.8,38.725) ; v1(136.9,36.325) L4.1@136.9,34.65 138.025,34.65 138.625,34.05 142.65,34.05 R47.2@143.65,35.05
  Bottom Layer w0.22: v1(132.8,38.725) 134.5,38.725 v1(136.9,36.325)
NetR8_1: R8.1 VD7.3 VT3.2 X71.1 | length 15.3
  Top Layer w0.22: X71.1@38.75,188.25 41.5,185.5 R8.1@46.575,185.5 46.5,185.425 VD7.3@46.5,183.25 VT3.2@46.5,179.2
NetR9_1: R9.1 VD6.3 VT2.2 X7.2 | length 9.1
  Top Layer w0.25: VT2.2@51,179.2 VD6.3@51,183.25 X7.2@51,188.25
NetR25_2: R25.2 X16.15 X16.16 X24.5 X106.1 X107.1 | length 91.5
  Top Layer w0.22: X107.1@170.05,63.73 171.555,63.73 173.025,65.2 181.35,65.2 182.82,63.73 X106.1@187.3,63.73 190.68,63.73 192.2,65.25 199.25,65.25 X16.15@203.95,60.55 X16.16@216.65,60.55 ; R25.2@183.775,52.1 v1(184.725,52.1)
  Bottom Layer w0.22: v1(184.725,52.1) 185.775,52.1 187.095,53.42 187.095,63.73 X106.1@187.3,63.73 ; X24.5@215.97,40.3 214.61,41.66 212.941,41.66 211.926,42.675 211.926,55.313 212.145,55.532 212.145,59.245 213.45,60.55 X16.16@216.65,60.55
NetR26_2: R26.2 X16.13 X16.14 X24.6 X106.2 X107.2 | length 96.9
  Top Layer w0.22: X107.2@167.51,65 171.695,65 172.495,65.8 183.96,65.8 X106.2@184.76,65 189.5,65 190.25,65.75 202.25,65.75 X16.13@203.95,64.05 X16.14@216.65,64.05 ; R26.2@186.775,51.1 186.775,51.643 v1(187.284,52.152)
  Bottom Layer w0.22: X106.2@184.76,65 188.05,65 188.65,64.4 188.65,60.709 187.535,59.594 187.535,52.403 v1(187.284,52.152) ; X24.6@213.43,40.3 211.465,42.265 211.465,55.474 211.705,55.714 211.705,61.08 214.675,64.05 X16.14@216.65,64.05
NetR27_2: R27.2 X16.11 X16.12 X24.7 X106.3 X107.3 | length 95.1
  Top Layer w0.22: X107.3@170.05,66.27 X106.3@187.3,66.27 202.67,66.27 X16.11@203.95,67.55 X16.12@216.65,67.55 ; R27.2@183.775,50.1 v1(184.775,50.1)
  Bottom Layer w0.22: v1(184.775,50.1) 187.565,50.1 187.975,50.51 187.975,59.411 189.1,60.536 189.1,65.125 187.955,66.27 X106.3@187.3,66.27 ; X24.7@215.97,42.84 218.185,45.055 218.185,66.015 X16.12@216.65,67.55
NetR28_2: R28.2 X16.9 X16.10 X24.8 X106.4 X107.4 | length 109.3
  Top Layer w0.22: X107.4@167.51,67.54 X106.4@184.76,67.54 200.44,67.54 X16.9@203.95,71.05 X16.10@216.65,71.05 ; R28.2@186.775,49.1 v1(187.825,49.1)
  Bottom Layer w0.22: X106.4@184.76,67.54 187.96,67.54 189.54,65.96 189.54,60.354 188.415,59.229 188.415,49.69 v1(187.825,49.1) ; X24.8@213.43,42.84 213.595,42.675 214.217,42.675 215.242,41.65 215.252,41.66 216.459,41.66 218.625,43.826 218.625,69.075 X16.10@216.65,71.05
NetR29_2: R29.2 X16.7 X16.8 X106.5 X107.5 | length 76.7
  Top Layer w0.22: X107.5@170.05,68.81 X106.5@187.3,68.81 198.21,68.81 X16.7@203.95,74.55 X16.8@216.65,74.55 ; R29.2@183.775,48.1 v1(184.6,48.1)
  Bottom Layer w0.22: v1(184.6,48.1) 188.47,48.1 188.855,48.485 188.855,59.047 189.98,60.172 189.98,66.142 188.82,67.302 188.82,68.305 188.315,68.81 X106.5@187.3,68.81
NetR30_2: R30.2 X16.5 X16.6 X106.6 X107.6 | length 82
  Top Layer w0.22: X107.6@167.51,70.08 X106.6@184.76,70.08 195.98,70.08 X16.5@203.95,78.05 X16.6@216.65,78.05 ; R30.2@186.775,47.1 186.875,47.2 v1(187.8,47.2)
  Bottom Layer w0.22: X106.6@184.76,70.08 187.948,70.08 189.26,68.768 189.26,67.485 190.42,66.325 190.42,59.99 189.295,58.864 189.295,48.117 188.378,47.2 v1(187.8,47.2)
NetR31_2: R31.2 X16.3 X16.4 X106.7 X107.7 | length 83.7
  Top Layer w0.22: X107.7@170.05,71.35 X106.7@187.3,71.35 195.108,71.35 203.95,80.192 X16.3@203.95,81.55 X16.4@216.65,81.55 ; R31.2@183.825,46.05 184.675,46.05 v1(184.7,46.075)
  Bottom Layer w0.22: v1(184.7,46.075) 187.875,46.075 189.735,47.935 189.735,58.682 190.86,59.807 190.86,66.507 189.7,67.667 189.7,68.95 X106.7@187.3,71.35
NetR32_2: R32.2 X16.1 X16.2 | length 60.3
  Top Layer w0.22: R32.2@186.825,45.05 v1(187.75,45.05) ; v1(196.75,77.75) 196.75,77.85 X16.1@203.95,85.05 X16.2@216.65,85.05
  Bottom Layer w0.22: v1(187.75,45.05) 190.175,47.475 190.175,58.5 191.3,59.625 191.3,67.8 196.75,73.25 v1(196.75,77.75)
NetR33_2: R33.2 X17.1 X107.8 | length 62.8
  Top Layer w0.22: R33.2@175.85,54.275 175.85,54.75 176.15,55.05 ; v1(176.5,55.975) 176.5,55.4 176.15,55.05 ; X17.1@214.95,55.05 176.15,55.05
  Bottom Layer w0.22: X107.8@167.51,72.62 170.405,72.62 171.55,71.475 171.55,64.35 176.5,59.4 v1(176.5,55.975)
NetR34_2: R34.2 X17.2 X106.8 | length 66.2
  Top Layer w0.22: R34.2@174.85,57.275 v1(177.275,57.275) 179.06,55.49 213.223,55.49 213.963,56.23 216.045,56.23 216.525,55.75 216.525,53.125 X17.2@214.95,51.55
  Bottom Layer w0.22: v1(177.275,57.275) 183.275,63.275 183.275,71.135 X106.8@184.76,72.62
NetR41_2: R41.2 VT7.2 X9.11 | length 160.2
  Top Layer w0.22: R41.2@63.25,180.15 64.35,180.15 VT7.2@64.75,180.55 68.45,180.55 76.885,188.985 106.768,188.985 114.048,181.705 124.377,181.705 130.572,187.9 157.242,187.9 v1(157.483,187.659) ; X9.11@151.844,135.925 153.269,137.35 v1(157.475,137.35)
  Bottom Layer w0.22: v1(157.475,137.35) 157.5,137.35 157.5,187.676 v1(157.483,187.659)
NetR48_2: R48.2 X24.1 | length 66.7
  Top Layer w0.22: R48.2@173.85,54.275 173.85,57.75 174.055,57.955 177.67,57.955 179.695,55.93 208.325,55.93 208.51,56.115 v1(208.51,56.178)
  Bottom Layer w0.22: v1(208.51,56.178) 208.532,56.2 209.35,55.382 209.35,37.631 212.941,34.04 214.79,34.04 X24.1@215.97,35.22
NetR49_2: R49.2 X24.2 | length 61.5
  Top Layer w0.22: R49.2@172.85,57.275 172.85,57.925 173.32,58.395 177.852,58.395 179.877,56.37 207.741,56.37 208.229,56.858 208.792,56.858 209.19,56.459 209.19,56.385 209.311,56.264 v1(209.43,56.264)
  Bottom Layer w0.22: v1(209.43,56.264) 209.43,55.925 209.825,55.53 209.825,38.825 X24.2@213.43,35.22
NetR50_2: R50.2 X24.3 | length 66.5
  Top Layer w0.22: R50.2@171.85,54.275 171.85,57.567 173.118,58.835 178.035,58.835 180.02,56.85 207.599,56.85 208.046,57.298 v1(209.675,57.298)
  Bottom Layer w0.22: v1(209.675,57.298) 210.652,57.298 211.265,56.685 211.265,55.896 211.025,55.656 211.025,41.036 212.941,39.12 214.255,39.12 215.615,37.76 X24.3@215.97,37.76
NetR51_2: R51.2 X24.4 | length 63.3
  Top Layer w0.22: R51.2@170.85,57.275 170.85,58.175 171.95,59.275 203.665,59.275 205.65,57.29 206.34,57.98 210.02,57.98 210.585,57.415 v1(210.585,56.178)
  Bottom Layer w0.22: v1(210.585,56.178) 210.585,40.605 X24.4@213.43,37.76
NetR_22_1_1: R_22_1.1 R_23_1.2 VD_4_1.3 | length 4.7
  Top Layer w0.22: R_22_1.1@63.5,123.575 R_23_1.2@63.5,121.925 65.575,121.925 VD_4_1.3@66.25,121.25
NetR_22_1_2: R_22_1.2 X_21_1.2 | length 7.5
  Top Layer w0.22: R_22_1.2@63.5,124.925 66.805,124.925 X_21_1.2@69.75,121.98
NetR_22_2_1: R_22_2.1 R_23_2.2 VD_4_2.3 | length 4.7
  Top Layer w0.22: R_22_2.1@47.25,123.575 R_23_2.2@47.25,121.925 49.325,121.925 VD_4_2.3@50,121.25
NetR_22_2_2: R_22_2.2 X_21_2.2 | length 7.5
  Top Layer w0.22: R_22_2.2@47.25,124.925 50.555,124.925 X_21_2.2@53.5,121.98
NetR_22_3_1: R_22_3.1 R_23_3.2 VD_4_3.3 | length 4.7
  Top Layer w0.22: R_22_3.1@63.5,137.325 R_23_3.2@63.5,135.675 65.575,135.675 VD_4_3.3@66.25,135
NetR_22_3_2: R_22_3.2 X_21_3.2 | length 7.5
  Top Layer w0.22: R_22_3.2@63.5,138.675 66.805,138.675 X_21_3.2@69.75,135.73
NetR_22_4_1: R_22_4.1 R_23_4.2 VD_4_4.3 | length 4.7
  Top Layer w0.22: R_22_4.1@47.25,137.325 R_23_4.2@47.25,135.675 49.325,135.675 VD_4_4.3@50,135
NetR_22_4_2: R_22_4.2 X_21_4.2 | length 7.5
  Top Layer w0.22: R_22_4.2@47.25,138.675 50.555,138.675 X_21_4.2@53.5,135.73
NetR_22_5_1: R_22_5.1 R_23_5.2 VD_4_5.3 | length 4.6
  Top Layer w0.22: R_22_5.1@63.5,151.075 R_23_5.2@63.5,149.425 65.4,149.425 VD_4_5.3@66.175,148.65
NetR_22_5_2: R_22_5.2 X_21_5.2 | length 7.5
  Top Layer w0.22: R_22_5.2@63.5,152.425 66.805,152.425 X_21_5.2@69.75,149.48
NetR_22_6_1: R_22_6.1 R_23_6.2 VD_4_6.3 | length 4.7
  Top Layer w0.22: R_22_6.1@47.25,151.075 R_23_6.2@47.25,149.425 49.3,149.425 VD_4_6.3@50,148.725
NetR_22_6_2: R_22_6.2 X_21_6.2 | length 7.5
  Top Layer w0.22: R_22_6.2@47.25,152.425 50.555,152.425 X_21_6.2@53.5,149.48
NetR_22_7_1: R_22_7.1 R_23_7.2 VD_4_7.3 | length 4.7
  Top Layer w0.22: R_22_7.1@63.5,164.825 R_23_7.2@63.5,163.175 65.575,163.175 VD_4_7.3@66.25,162.5
NetR_22_7_2: R_22_7.2 X_21_7.2 | length 6.4
  Top Layer w0.22: R_22_7.2@63.5,166.175 69.305,166.175 X_21_7.2@69.75,165.73
NetR_22_8_1: R_22_8.1 R_23_8.2 VD_4_8.3 | length 4.7
  Top Layer w0.25: R_22_8.1@47.25,164.825 R_23_8.2@47.25,163.175 49.325,163.175 VD_4_8.3@50,162.5
NetR_22_8_2: R_22_8.2 X_21_8.2 | length 6.4
  Top Layer w0.25: R_22_8.2@47.25,166.175 53.055,166.175 X_21_8.2@53.5,165.73
NetR_23_1_1: R_23_1.1 U_1_1.1 | length 5.9
  Top Layer w0.22: U_1_1.1@58.98,118.9 58.98,120.03 59.525,120.575 R_23_1.1@63.5,120.575
NetR_23_2_1: R_23_2.1 U_1_2.1 | length 5.9
  Top Layer w0.22: U_1_2.1@42.73,118.9 42.73,120.105 43.2,120.575 R_23_2.1@47.25,120.575
NetR_23_3_1: R_23_3.1 U_1_3.1 | length 5.2
  Top Layer w0.22: U_1_3.1@58.98,132.65 60.655,134.325 R_23_3.1@63.5,134.325
NetR_23_4_1: R_23_4.1 U_1_4.1 | length 5.8
  Top Layer w0.22: U_1_4.1@42.73,132.65 42.73,133.705 43.35,134.325 R_23_4.1@47.25,134.325
NetR_23_5_1: R_23_5.1 U_1_5.1 | length 5.2
  Top Layer w0.22: U_1_5.1@58.98,146.4 60.655,148.075 R_23_5.1@63.5,148.075
NetR_23_6_1: R_23_6.1 U_1_6.1 | length 5.2
  Top Layer w0.22: U_1_6.1@42.73,146.4 44.405,148.075 R_23_6.1@47.25,148.075
NetR_23_7_1: R_23_7.1 U_1_7.1 | length 5.2
  Top Layer w0.22: U_1_7.1@58.98,160.15 60.655,161.825 R_23_7.1@63.5,161.825
NetR_23_8_1: R_23_8.1 U_1_8.1 | length 5.2
  Top Layer w0.22: U_1_8.1@42.73,160.15 44.405,161.825 R_23_8.1@47.25,161.825